# Altium PCB betrusted_evt2b.PcbDoc (part 3 of 6)
Units mm, origin at the board's own origin, x right, y up, seen from the top; angles counter-clockwise.
Board outline 61.95 x 62.6 mm, 6 copper layers (L1, L2, L3, L6, L7, L8), stack 0.691 mm thick; 387 components, 291 nets, 1871 pads, 1866 vias.
Unrouted connection lines stored in the file: 41.
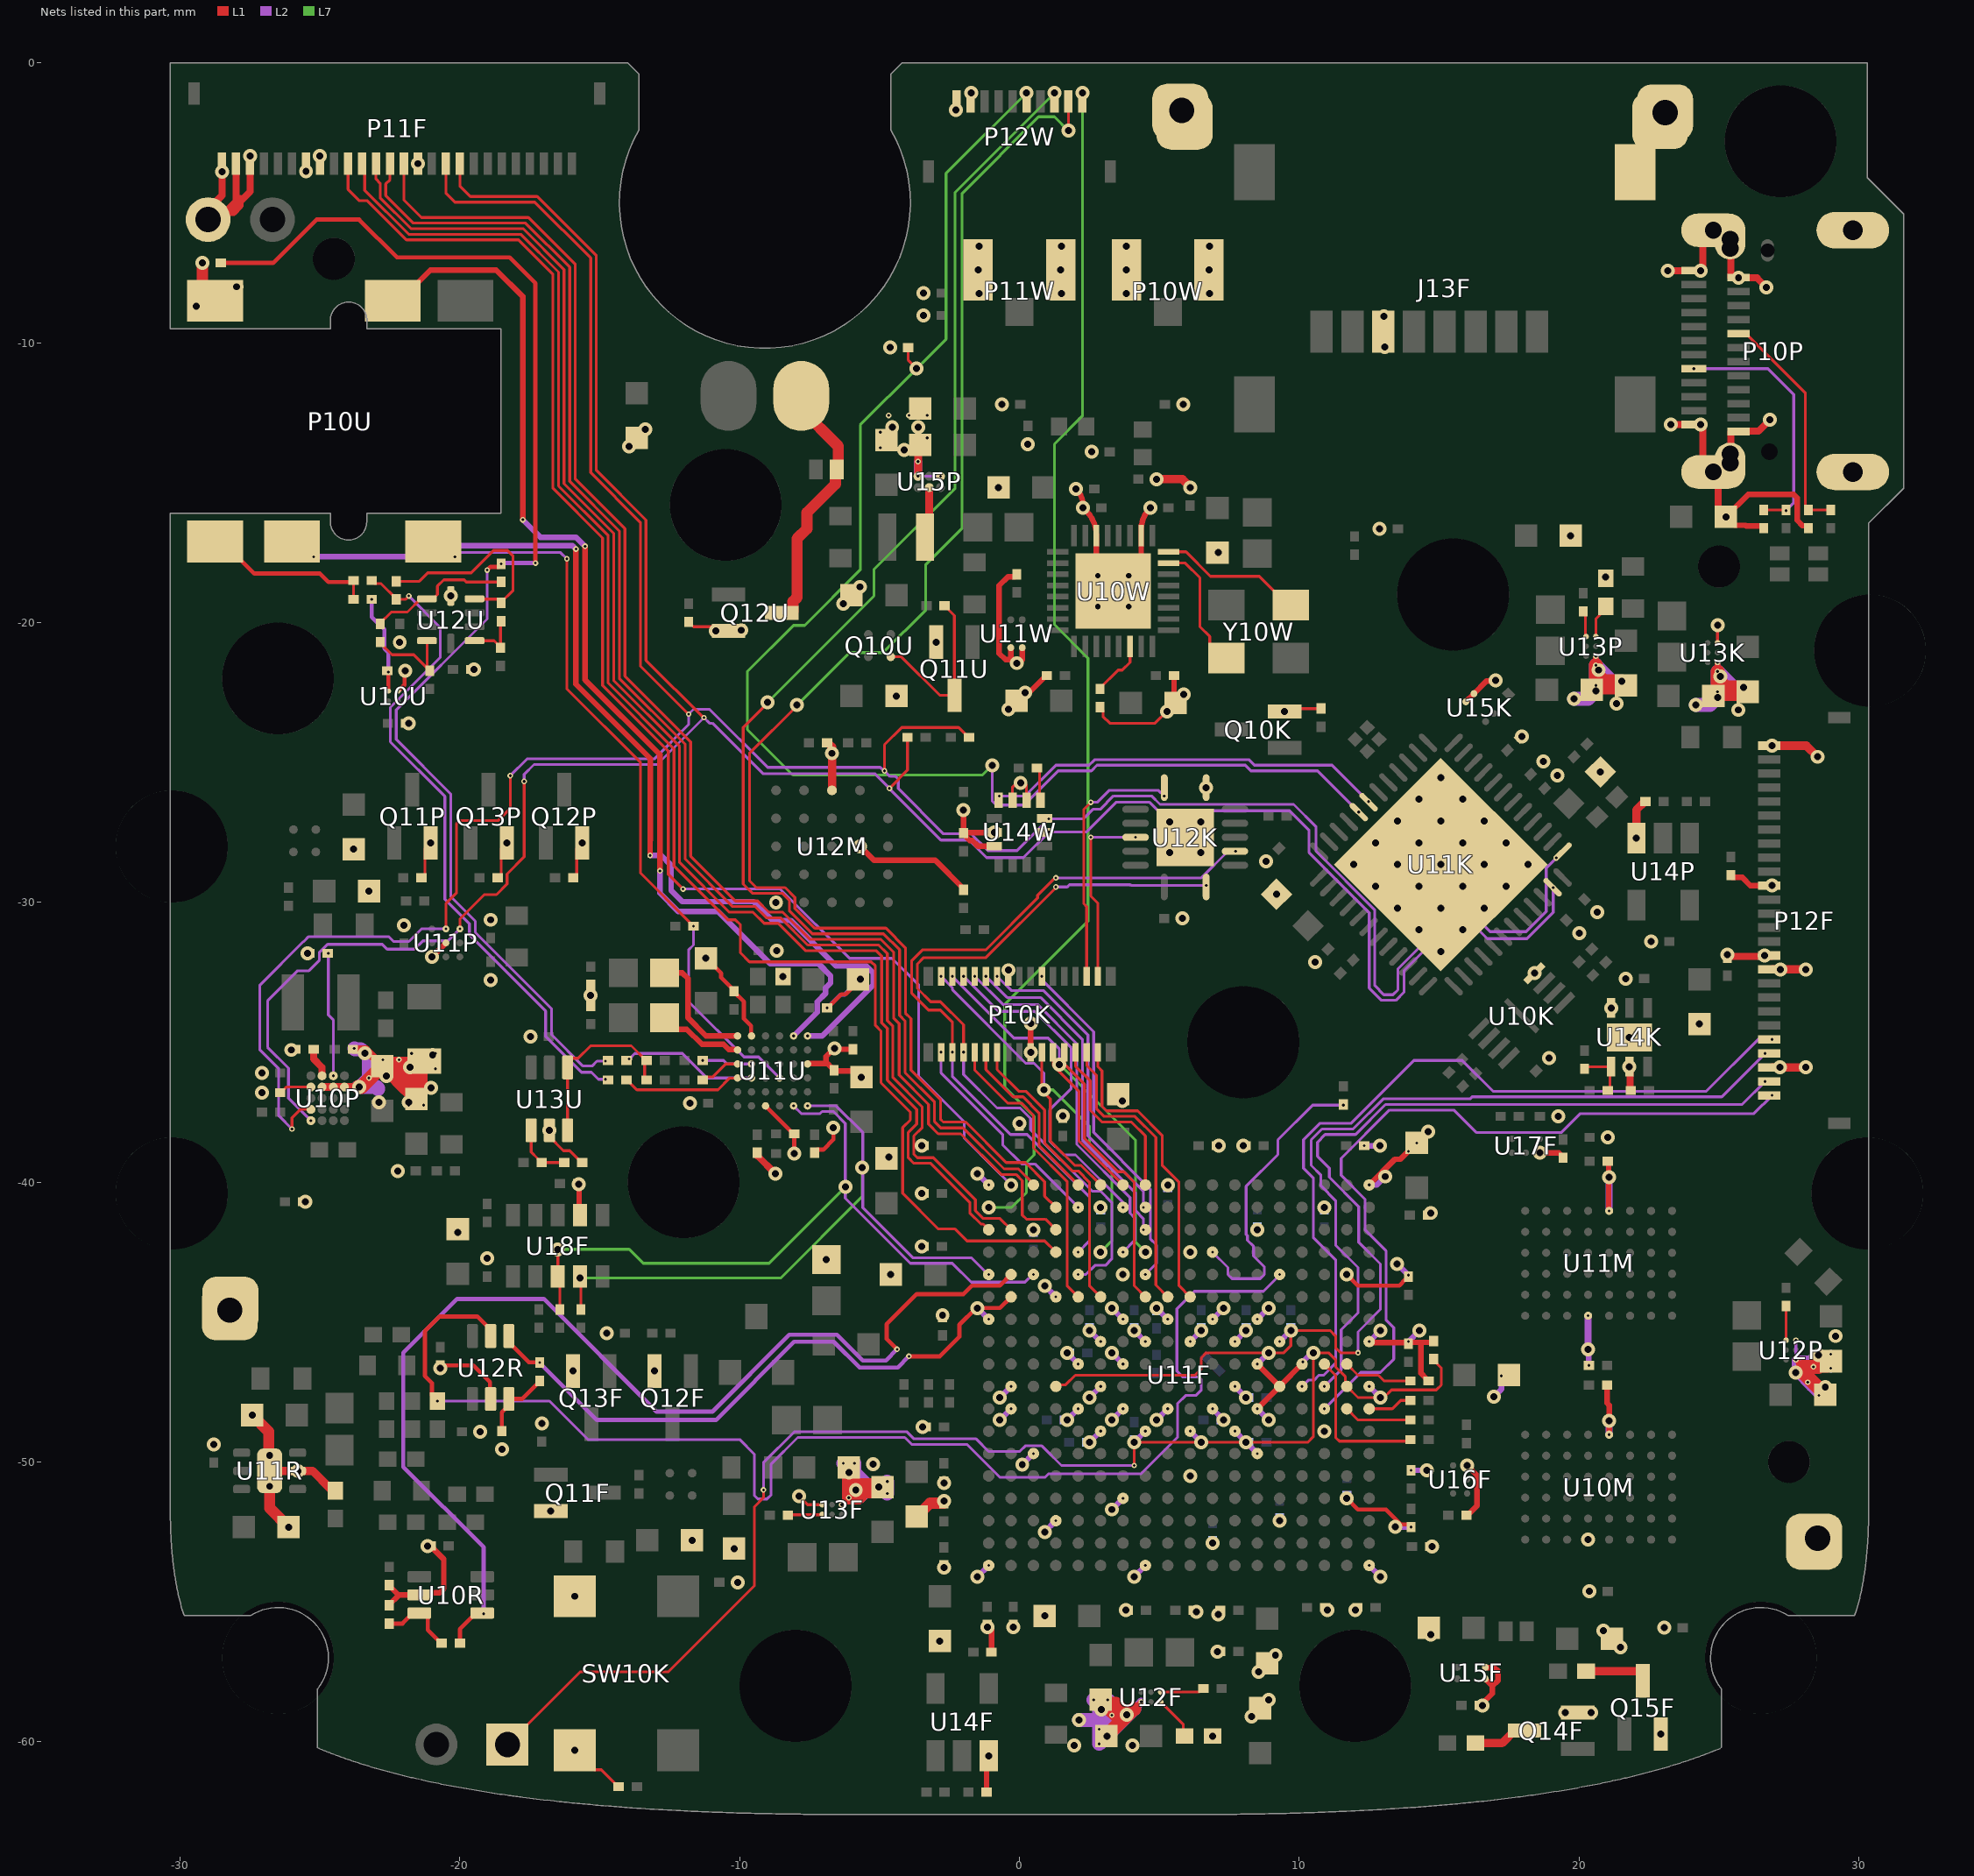
[diagram p7: the nets of this part, all layers, seen from the top]

## Via types
v1: diameter 0.2, hole 0.1, L1 to L2, tented both sides, 1071 vias
v2: diameter 0.5, hole 0.25, L2 to L7, tented both sides, 640 vias
v3: diameter 0.2, hole 0.1, L7 to L8, tented both sides, 120 vias
v4: diameter 0.5, hole 0.25, L1 to L8, 29 vias
v5: diameter 0.5, hole 0.2, L1 to L8, 4 vias
v6: diameter 0.4, hole 0.25, L1 to L8, 2 vias

## Nets (pads, with @x,y where several pads share a name; then routed paths per layer and width w, separated by ;. In a path a pad name is that pad's centre, name@x,y a point inside that pad or via, vN(x,y) a via of type N, cw(c..) or ccw(c..) an arc to the next point about the centre after c; other vN are vias at no path point) (continued)
GND: C10K.2 C10M.2 C10P.2 C10U.2 C10W.2 C11K.2 C11M.2 C11P.2 C11U.2 C11W.2 C12K.2 C12M.2 C12R.1 C12U.2 C12W.2 C13K.2 C13M.2 C13R.2 C13U.1 C13W.2 C14F.2 C14K.2 C14M.2 C14P.2 C14R.2 C14U.2 C14W.2 C15F.2 C15K.2 C15M.1 C15P.2 C15U.1 C15W.2 C16F.2 C16K.2 C16M.2 C16P.2 C16W.2 C17F.2 C17K.2 C17M.2 C17P.2 C17R.1 C17W.2 C18F.2 C18K.2 C18M.2 C18P.2 C18R.1 C18W.2 C19F.2 C19K.2 C19P.2 C19U.1 C19W.2 C20F.2 C20K.2 C20P.2 C20W.2 C21F.2 C21K.2 C21P.1 C21U.2 C21W.2 C22F.1 C22K.2 C22P.2 C22U.2 C22W.2 C23F.2 C23K.2 C23P.2 C23U.2 C23W.2 C24F.2 C24K.2 C24P.2 C24U.1 C24W.2 C25F.2 C25K.2 C25P.2 C25U.1 C26F.2 C26K.2 C26P.2 C26U.1 C27F.1 C27K.2 C27P.2 C27U.2 C28F.2 C28P.2 C28U.1 C28W.2 C29F.2 C29P.2 C29U.2 C29W.1 C30F.1 C30P.2 C30U.1 C30W.1 C31F.2 C31P.2 C31U.2 C31W.2 C32F.2 C32U.2 C32W.2 C33F.2 C33U.1 C34F.2 C34U.2 C35F.2 C35U.2 C36F.2 C36U.2 C37F.1 C37U.1 C38F.2 C38U.2 C39F.2 C40F.1 C41F.2 C42F.2 C43F.2 C44F.2 C45F.2 C46F.2 C47F.1 C48F.2 C49F.2 C50F.2 C51F.2 C52F.1 C53F.2 C54F.2 C55F.1 C56F.2 C57F.2 C58F.2 C59F.2 C60F.2 C61F.2 C62F.2 C63F.2 C64F.2 C65F.2 C66F.2 C67F.2 C68F.2 C71F.2 C72F.2 C73F.2 C74F.2 C75F.2 C76F.2 C77F.2 C78F.2 C79F.2 C80F.2 C81F.2 C82F.2 C83F.2 C84F.2 C85F.2 C86F.2 C87F.2 C88F.2 C89F.2 C90F.2 C91F.2 J13F.0@22,-3.9 J13F.6 L11F.1 P10K.9 P10K.22 P10P.0 P10P.A1 P10P.A12 P10P.B1 P10P.B12 P10U.4 P10W.GND P11F.1 P11F.2 P11F.3 P11F.7 P11F.8 P11F.15 P11W.GND P12F.1 P12F.11 P12F.16 P12F.17 P12F.24 P12W.9 P12W.10 pad.0@5.8,-1.7 pad.0@23.075,-1.775 pad.0@28.525,-52.725 pad.0@-28.225,-44.575 Q10K.2 Q11F.2 Q11P.2 Q11U.2 Q12F.2 Q12P.2 Q12U.2 Q13F.2 Q13P.2 Q14F.2 Q15F.2 R11F.2 R11U.1 R11W.2 R12M.2 R13R.1 R13W.2 R14F.1 R14K.1 R14P.2 R14R.1 R15K.1 R15P.2 R16P.2 R17F.1 R17P.2 R18F.1 R18R.1 R19R.1 R20P.2 R20R.1 R23F.1 R23P.2 R25P.2 R25U.1 R26P.1 R26U.1 R27F.2 R27U.1 R28F.1 R28P.2 R29P.2 SW10K.1 SW10K.2 TP11P.1 TP12P.1 TP13P1.1 TP13P2.1 TP13P3.1 TP13P.1 TP14P.1 TP15P.1 U10K.4 U10M.D1 U10M.E6 U10P.D1 U10P.D2 U10P.D3 U10R.2 U10U.B2 U10W.10 U10W.14 U10W.33 U11F.A1 U11F.A12 U11F.A18 U11F.B8 U11F.B9 U11F.C6 U11F.C16 U11F.D3 U11F.D13 U11F.E8 U11F.E10 U11F.F7 U11F.F9 U11F.F11 U11F.F17 U11F.G4 U11F.G8 U11F.G10 U11F.G12 U11F.G14 U11F.H1 U11F.H7 U11F.H11 U11F.J8 U11F.J12 U11F.J18 U11F.K5 U11F.K7 U11F.K11 U11F.K15 U11F.L2 U11F.L8 U11F.L12 U11F.M7 U11F.M9 U11F.M11 U11F.N6 U11F.N8 U11F.N10 U11F.N12 U11F.N16 U11F.P3 U11F.P9 U11F.P11 U11F.R10 U11F.T7 U11F.T17 U11F.U4 U11F.U14 U11F.V1 U11F.V9 U11F.V11 U11F.V18 U11K.PADDLE U11M.D1 U11M.E6 U11P.B2 U11P.C1 U11R.5 U11R.7 U11U.A3 U11U.D6 U11U.E1 U11W.1 U11W.4 U12F.A1 U12K.7 U12K.EP U12M.B3 U12M.C1 U12M.E5 U12P.A1 U12P.C1 U12R.2 U12U.5 U13F.A1 U13F.C1 U13K.A1 U13K.C1 U13P.A1 U13U.2 U14F.3 U14K.3 U14K.5 U14K.7 U14P.3 U14W.2 U14W.3 U14W.6 U14W.7 U15F.1 U15F.4 U15K.1 U15K.4 U15P.A2 U15P.C2 U16F.C1 U17F.C1 U18F.7 | length 236.1
  L1 w0.1: R25P.2@-21.375,-29.125 -21.36,-29.125 -21.25,-29.015 -21.25,-28.075 v1(-21.05,-27.875) ; R29P.2@-18.65,-29.125 -18.635,-29.125 -18.525,-29.015 -18.525,-28.075 v1(-18.325,-27.875) ; v2(-16.8,-38.15) -16.8,-38.375 -16.3,-38.875 -16.075,-38.875 -15.65,-39.3 R25U.1@-15.625,-39.3 ; R26P.1@-15.95,-29.125 -15.935,-29.125 -15.825,-29.015 -15.825,-28.075 v2(-15.625,-27.875) ; v2(-15.9,-60.3) -15.2,-61 -14.95,-61 -14.35,-61.6 C25K.2@-14.325,-61.6 ; R27U.1@-11.825,-19.975 -11.65,-20.15 -10.646,-20.15 -10.496,-20.3 Q12U.2@-10.4,-20.3 ; v2(-7.875,-51.225) -7.575,-51.525 U13F.C1@-7.05,-51.525 ; U14W.3@-0.25,-26.35 -0.25,-25.875 -0.1,-25.725 v1(0.038,-25.725) 0.175,-25.725 0.25,-25.8 U14W.2@0.25,-26.35 ; R11W.2@2.875,-23.025 2.985,-23.135 2.985,-23.36 3.225,-23.6 4.85,-23.6 v2(5.275,-23.175) C23W.2@5.575,-22.875 ; v2(9.475,-23.175) 9.575,-23.075 R14K.1@10.775,-23.075 ; U13K.C1@24.95,-20.725 v1(24.95,-20.1)
  L1 w0.15: U10U.B2@-22.2,-22.45 -21.975,-22.225 -21.975,-21.75 v1(-21.95,-21.725) ; C17R.1@-20.7,-46.55 -19.525,-46.55 -18.925,-47.15 -18.925,-47.725 U12R.2@-18.9,-47.75 ; C35U.2@-11.2,-32 -10.663,-32.537 -10.663,-32.687 -10.2,-33.15 C34U.2@-10.2,-33.175 -10.2,-33.2 -9.85,-33.55 -9.85,-34.159 -9.592,-34.417 -9.592,-34.758 U11U.E1@-9.575,-34.775 ; U11U.D6@-9.075,-37.275 -8.525,-37.825 -8.075,-38.275 C27U.2@-8.05,-38.275 C28U.1@-8.05,-38.975 ; C24U.1@-7.325,-38.95 -7.325,-38.925 -7.24,-38.84 -7.015,-38.84 -6.65,-38.475 C23U.2@-6.65,-38.05 ; v1(-6.875,-33.775) -6.85,-33.775 -6.362,-33.287 -6.212,-33.287 C32U.2@-5.675,-32.75 ; v1(11.7,-51.3) 12.1,-51.7 13.1,-51.7 13.63,-52.23 13.93,-52.23 14,-52.3 v1(14,-52.325) ; v1(11.7,-43.3) 12.1,-43.7 13.575,-43.7 13.79,-43.485 13.83,-43.485 C57F.2@13.9,-43.415 ; C57F.2@13.9,-43.365 v1(13.9,-43.325)
  L1 w0.2: R14R.1@-22.525,-55.125 -22.525,-55.1 -22.2,-54.775 -22.2,-54.75 ; R13R.1@-22.525,-54.4 -22.525,-54.425 -22.2,-54.75 ; C12R.1@-21.05,-53 -21.025,-53 -20.965,-53.06 -20.965,-53.085 -20.575,-53.475 -20.575,-54.525 -20.725,-54.675 -21.375,-54.675 U10R.2@-21.45,-54.75 -22.2,-54.75 ; v1(-21,-31.95) U11P.B2@-20.5,-31.45 ; C66F.2@-15.775,-40.05 v2(-15.756,-40.069) -15.737,-40.088 -15.737,-41.138 U18F.7@-15.7,-41.175 ; C14U.2@-15.325,-33.7 C15U.1@-15.325,-32.95 ; C29U.2@-9.375,-39.05 C29U.2@-9.375,-38.95 ; U11U.A3@-7.575,-35.775 -7.563,-35.763 -6.915,-35.763 ; v1(-6.35,-51.525) v1(-6.1,-51.275) ; C37U.1@-5.95,-35.25 C36U.2@-6.65,-35.25 -6.915,-35.515 -6.915,-35.763 ; v2(-5.7,-28) -5.2,-28.5 -3.01,-28.5 -2,-29.51 C18M.2@-2,-29.55 ; C21U.2@-5.65,-36.25 -5.875,-36.025 -6.625,-36.025 C22U.2@-6.625,-36 -6.625,-35.975 -6.685,-35.915 -6.71,-35.915 -6.862,-35.763 -6.915,-35.763 ; v1(-2,-26.7) C31W.2@-2,-27.525 ; C33F.2@-1.175,-61.8 -1.175,-60.575 v1(-1.1,-60.5) ; C22F.1@-1.15,-55.825 -1.15,-55.85 -1,-56 C34F.2@-1,-56.8 ; U14W.7@-0.9,-28 -1.475,-28 -1.685,-27.79 -1.775,-27.79 -2,-27.565 C31W.2@-2,-27.525 ; v1(-0.9,-27.5) -0.913,-27.513 -1.987,-27.513 C31W.2@-2,-27.525 ; U11W.4@-0.31,-20.9 -0.31,-21.325 ; C21W.2@-0.1,-22.8 v2(0.2,-22.5) 0.35,-22.5 0.95,-21.9 C22W.2@0.975,-21.9 ; C14W.2@-0.1,-18.275 -0.1,-18.3 -0.16,-18.36 -0.41,-18.36 -0.725,-18.675 -0.725,-21.1 -0.5,-21.325 -0.31,-21.325 ; U11W.1@0.1,-20.9 0.1,-21.331 -0.019,-21.45 v2(-0.102,-21.45) -0.185,-21.45 -0.31,-21.325 ; v1(0.4,-35.355) v1(0.4,-34.325) ; v1(2.025,-15.225) cw(c1.421,-15.829) 2.275,-15.829 v1(2.275,-15.9) 2.382,-16.007 cw(c1.495,-16.895) U10W.14@2.75,-16.895 2.75,-18.275 v5(2.8,-18.325) U10W.33@3.35,-18.875 4.35,-17.875 U10W.10@4.35,-16.895 4.35,-16.685 cw(c5.46,-16.685) v1(4.675,-15.9) ; 4.1,-58.825 v1(4.35,-58.575) ; C24W.2@5.525,-21.9 5.525,-22.825 C23W.2@5.575,-22.875 ; v1(8.5,-48.1) U11F.P9@9.3,-47.3 ; v1(8.5,-46.5) U11F.P9@9.3,-47.3 ; v1(10.125,-46.425) 10.125,-46.475 U11F.P9@9.3,-47.3 ; v1(12.5,-40.1) 13.417,-39.183 13.617,-39.183 v1(14.2,-38.6) ; U11F.V11@12.537,-45.738 13.863,-45.738 C31F.2@13.9,-45.775 13.9,-45.77 13.945,-45.725 14.35,-45.725 ; R18F.1@14.625,-47.1 14.585,-47.1 14.54,-47.055 14.54,-47.015 14.35,-46.825 14.35,-45.725 ; R17F.1@14.8,-45.675 14.8,-45.68 14.755,-45.725 14.35,-45.725 ; U15K.1@15.953,-22.833 U15K.4@16.243,-22.543 16.691,-22.095 16.9,-22.095 16.928,-22.067 16.992,-22.067 C27K.2@17.02,-22.095 ; C15M.1@15.975,-51.9 16.015,-51.9 16.35,-51.565 16.35,-50.475 v1(16,-50.125) ; C35F.2@16.45,-58.7 16.475,-58.7 16.9,-58.275 16.9,-58.014 ; U15F.4@16.65,-57.75 16.65,-57.764 16.9,-58.014 ; U15F.1@16.65,-57.34 16.66,-57.35 16.983,-57.35 17.1,-57.467 17.1,-57.814 16.9,-58.014 ; v1(18.6,-38.95) 19.275,-38.95 19.425,-39.1 R27F.2@19.425,-39.125 ; v1(20.325,-52.775) U10M.D1@20.342,-52.792 ; C12M.2@20.342,-54.592 v2(20.375,-54.625) C12M.2@20.392,-54.642 ; v1(20.6,-21.525) v1(20.6,-21.2) ; C13M.2@21,-47.25 21,-47.9 21.075,-47.975 v1(21.075,-49.025) ; C11M.2@21.025,-39.25 21.058,-39.283 21.058,-41.008 v1(21.075,-41.025) ; v1(24.95,-21.75) v1(24.95,-21.425) ; C37F.1@25.425,-29.025 25.425,-29.05 25.485,-29.11 25.835,-29.11 26.125,-29.4 v2(26.9,-29.4) ; R14P.2@26.6,-16.625 26.6,-16.61 26.54,-16.55 25.975,-16.55 25.95,-16.525 25.55,-16.525 v2(25.25,-16.225) 26.05,-15.425 27.675,-15.425 27.8,-15.55 27.8,-16.35 27.99,-16.54 28.14,-16.54 28.2,-16.6 R15P.2@28.2,-16.625 ; v1(27.75,-46.35) 28,-46.6
  L1 w0.25: P11F.1@-28.5,-3.6 v2(-28.5,-3.885) -28.5,-4.735 -29,-5.235 TP11P.1@-29,-5.6 ; P11F.2@-28,-3.6 -28,-4.778 ; -27.85,-4.85 -27.928,-4.85 -28,-4.778 ; P11F.3@-27.5,-3.6 -27.5,-4.6 -27.85,-4.95 -27.85,-5.1 -28.092,-5.342 TP11P.1@-28.392,-5.342 ; C29U.2@-9.375,-39.05 v1(-8.725,-39.7) ; v1(7.1,-55.45) 7.1,-55.375 7.115,-55.36 7.115,-55.32 7.135,-55.3 C28F.2@7.175,-55.3 ; v2(21.8,-35.875) 21.825,-35.9 21.825,-36.7 C24K.2@21.85,-36.725 ; v2(23.175,-7.425) P10P.A12@24.1,-7.425 v2(24.35,-7.425) 24.415,-7.425 24.425,-7.415 24.425,-6.355 P10P.0@24.8,-5.98 ; v2(23.275,-12.925) P10P.A1@24.1,-12.925 24.415,-12.925 24.425,-12.935 24.425,-14.245 P10P.0@24.8,-14.62 24.975,-14.795 24.975,-15.95 v2(25.25,-16.225) ; C52F.1@25.3,-31.975 25.3,-31.96 25.335,-31.925 26.875,-31.925 P12F.16@26.9,-31.9 ; P10P.0@25.4,-13.97 25.425,-13.945 25.425,-13.185 25.435,-13.175 P10P.B12@25.7,-13.175 25.71,-13.165 26.41,-13.165 v2(26.825,-12.75) ; P10P.0@25.4,-6.48 25.425,-6.505 25.425,-7.665 25.435,-7.675 v2(25.7,-7.675) 25.71,-7.685 26.36,-7.685 v2(26.7,-8.025) ; TP11P.1@-29,-5.6 -28.775,-5.375 TP11P.1@-28.425,-5.375 ; TP11P.1@-29,-5.6 -28.65,-5.6 TP11P.1@-28.425,-5.375 ; TP11P.1@-28.425,-5.375 TP11P.1@-28.392,-5.342 ; TP11P.1@-28.392,-5.342 -28,-4.95 -28,-4.778
  L1 w0.28: U10P.D3@-24.925,-36.6 U10P.D2@-24.525,-36.6 U10P.D1@-24.125,-36.6 v1(-23.625,-36.6) ; v1(-3.625,-14.775) v1(-3.625,-14.25) -3.625,-13.725 C29P.2@-3.55,-13.65
  L1 w0.3: C18R.1@-28.803,-49.373 C18R.1@-28.8,-49.375 -28.798,-49.378 v1(-28.792,-49.377) C18R.1@-28.787,-49.378 ; C13R.2@-27.427,-48.323 C13R.2@-27.425,-48.325 -27.423,-48.328 v1(-27.417,-48.327) C13R.2@-27.412,-48.328 ; v6(-26.8,-50.87) U11R.7@-26.8,-50.32 U11R.5@-25.8,-50.32 ; C14R.2@-26.123,-52.328 v1(-26.117,-52.327) C14R.2@-26.112,-52.328 ; U11R.5@-25.802,-50.318 U11R.5@-25.8,-50.32 ; U11R.5@-25.787,-50.323 v1(-25.792,-50.322) -25.797,-50.323 U11R.5@-25.8,-50.32 ; R11U.1@-25.525,-40.7 v2(-25.52,-40.7) -25.515,-40.7 R11U.1@-25.51,-40.705 ; R20R.1@-24.625,-50.96 -25.265,-50.32 U11R.5@-25.8,-50.32 ; C15P.2@-23.81,-35.265 -23.36,-35.265 C18P.2@-22.775,-35.85 ; C12R.1@-21.163,-52.995 -21.158,-53 v2(-21.153,-53) C12R.1@-21.147,-53 ; C17R.1@-20.713,-46.645 -20.708,-46.65 v2(-20.703,-46.65) C17R.1@-20.697,-46.65 ; C30U.1@-11.79,-37.17 -11.785,-37.175 v2(-11.78,-37.175) C30U.1@-11.775,-37.175 ; C35U.2@-11.215,-31.995 -11.21,-32 v2(-11.205,-32) C35U.2@-11.2,-32 ; C17M.2@-8.69,-31.72 -8.685,-31.725 v1(-8.68,-31.725) C17M.2@-8.675,-31.725 ; C26U.1@-8.465,-32.645 -8.46,-32.65 v2(-8.455,-32.65) C26U.1@-8.45,-32.65 ; C28U.1@-8.065,-38.97 -8.06,-38.975 v2(-8.055,-38.975) C28U.1@-8.05,-38.975 ; L11F.1@-6.915,-42.76 -6.91,-42.765 v2(-6.905,-42.765) L11F.1@-6.9,-42.765 ; C16M.2@-6.875,-24.3 -6.845,-24.3 -6.7,-24.445 v1(-6.7,-24.675) U12M.C1@-6.7,-26 ; C23U.2@-6.665,-38.045 -6.66,-38.05 v2(-6.655,-38.05) C23U.2@-6.65,-38.05 ; C32U.2@-5.69,-32.745 -5.685,-32.75 v2(-5.68,-32.75) C32U.2@-5.675,-32.75 ; C21U.2@-5.665,-36.245 -5.66,-36.25 v2(-5.655,-36.25) C21U.2@-5.65,-36.25 ; C56F.2@-3.465,-48.745 -3.46,-48.75 v2(-3.455,-48.75) C56F.2@-3.45,-48.75 ; v1(4.9,-14.875) 5.825,-14.875 6.1,-15.15 v1(6.1,-15.175) ; C62F.2@14.685,-41.095 14.69,-41.1 v2(14.695,-41.1) C62F.2@14.7,-41.1 ; v2(22.05,-27.7) 22.05,-26.695 22.345,-26.4 C26P.2@22.375,-26.4 ; P12F.24@26.9,-35.9 v1(27.175,-35.9) v1(28.1,-35.9) ; P12F.17@26.9,-32.4 v1(28.1,-32.4) ; v2(26.9,-24.4) 28.125,-24.4 v1(28.525,-24.8)
  L1 w0.4: v1(-29.2,-7.15) -29.2,-8.05 P10U.4@-28.75,-8.5 ; C13R.2@-27.423,-48.328 -26.83,-48.92 -26.83,-50.29 U11R.7@-26.8,-50.32 ; v6(-26.8,-50.87) -26.8,-51.65 C14R.2@-26.125,-52.325 C14R.2@-26.123,-52.328 ; C19F.2@-3.675,-51.95 -3.2,-51.475 C23F.2@-2.7,-51.475
  L1 w0.5: v1(-23.625,-36.6) -23.525,-36.6 C18P.2@-22.775,-35.85 ; -21.7,-36.45 C14P.2@-21.7,-36.875 ; C17F.2@-6.1,-50.2 -6.1,-50.825 ; C16F.2@2.9,-58.5 C16F.2@3.05,-58.65 ; C15F.2@3.1,-59.8 3.65,-59.25 ; 4.1,-58.825 4.075,-58.825 v1@3.862,-59.037 ; C24P.2@20.45,-22.4 C24P.2@20.525,-22.325 ; v1(20.6,-21.525) 20.6,-21.8 ; C22K.2@24.8,-22.625 C22K.2@24.875,-22.55 ; v1(24.95,-21.75) 24.95,-22.025 ; C20P.2@28.8,-47.6 28,-46.8 28,-46.6 v1(28.374,-46.6) 28.55,-46.6 28.6,-46.55 28.85,-46.55 C19P.2@29,-46.4 ; C18P.2@-22.775,-35.85 -22.687,-35.762 C11P.2@-21.512,-35.762 ; C18P.2@-22.775,-35.85 C18P.2@-22.457,-36.168 ; C18P.2@-22.457,-36.168 -22.164,-35.875 C11P.2@-21.625,-35.875 ; C18P.2@-22.457,-36.168 -22.407,-36.168 -22.1,-36.475 ; -22.1,-36.475 C14P.2@-21.7,-36.875 ; -22.1,-36.475 -22.1,-36.35 C11P.2@-21.625,-35.875 ; C14P.2@-21.7,-36.875 C14P.2@-21.55,-37.025 -21.412,-36.887 C11P.2@-21.412,-35.813 ; C11P.2@-21.625,-35.875 -21.475,-35.875 C11P.2@-21.412,-35.813 ; C11P.2@-21.625,-35.875 C11P.2@-21.512,-35.762 ; C11P.2@-21.512,-35.762 C11P.2@-21.362,-35.762 ; C11P.2@-21.512,-35.762 -21.425,-35.675 C11P.2@-21.275,-35.675 C11P.2@-21.362,-35.762 ; C11P.2@-21.412,-35.813 C11P.2@-21.362,-35.762 ; -6.1,-50.825 -4.975,-50.825 C18F.2@-4.9,-50.9 -5.05,-51.05 -5.536,-51.05 -5.761,-51.275 v1(-6.1,-51.275) -6.1,-50.825 ; C16F.2@3.05,-58.65 3.45,-58.65 v1(3.838,-59.037) v1@3.862,-59.037 ; C16F.2@3.05,-58.65 3.65,-59.25 ; 3.65,-59.25 v1@3.862,-59.037 ; C24P.2@20.525,-22.325 21.6,-22.325 C23P.2@21.675,-22.25 v1(21.525,-22.1) 20.9,-22.1 20.6,-21.8 ; C24P.2@20.525,-22.325 v1(20.6,-22.25) 20.6,-21.8 ; C22K.2@24.875,-22.55 25.95,-22.55 C21K.2@26.025,-22.475 v2(25.875,-22.325) 25.25,-22.325 24.95,-22.025 ; C22K.2@24.875,-22.55 v1(24.95,-22.475) 24.95,-22.025
  L2 w0.1: v1(-3.625,-14.775) v1(-2.825,-14.775) ; v1(27.75,-46.35) v1(27.75,-45.65)
  L2 w0.15: v1(-6.875,-33.775) -6.4,-33.3 -6.25,-33.3 -5.7,-32.75 v2(-5.68,-32.75) ; v2@-6.635,-35.225 v1(-6.615,-35.225)
  L2 w0.2: v1(-6.35,-51.525) v1(-6.1,-51.275) ; v2(-1.5,-54.1) v1(-1.1,-53.7) ; v2(-1.5,-44.5) v1(-1.1,-44.9) ; v2(-1.5,-39.7) v1(-1.1,-40.1) ; v2(-0.7,-48.5) v1(-0.3,-48.1) ; v2(-0.7,-47.7) v1(-0.3,-47.3) ; v2(0.1,-50.1) v1(0.5,-49.7) ; v2(0.9,-52.5) v1(1.3,-52.1) ; v2(0.9,-43.7) v1(1.3,-44.1) ; v2(1.7,-48.5) v1(2.1,-48.1) ; v2(1.7,-46.1) v1(2.1,-46.5) ; v2(2.5,-49.3) v1(2.9,-48.9) ; v2(2.5,-47.7) v1(2.9,-47.3) ; v2(2.5,-45.3) v1(2.9,-45.7) ; v2(3.3,-51.7) v1(3.7,-51.3) ; v2(3.3,-48.5) v1(3.7,-48.1) ; v2(3.3,-46.1) v1(3.7,-46.5) ; v2(3.3,-44.5) v1(3.7,-44.9) ; v2(4.1,-54.1) v1(4.5,-53.7) ; v2(4.1,-49.3) v1(4.5,-48.9) ; v2(4.1,-45.3) v1(4.5,-45.7) ; v2(4.9,-48.5) v1(5.3,-48.1) ; v2(4.9,-44.5) v1(5.3,-44.9) ; v1(6.1,-48.9) v2(6.5,-49.3) ; v1(6.1,-45.7) v2(6.5,-45.3) ; v1(6.9,-48.1) v2(7.3,-48.5) ; v1(6.9,-44.9) v2(7.3,-44.5) ; v1(7.7,-48.9) v2(8.1,-49.3) v1(8.5,-49.7) ; v1(7.7,-47.3) v2(8.1,-47.7) ; v1(7.7,-45.7) v2(8.1,-45.3) ; v1(8.5,-48.1) v2(8.9,-48.5) ; v1(8.5,-46.5) v2(8.9,-46.1) ; v1(8.5,-44.9) v2(8.9,-44.5) ; v1(9.3,-45.7) v2(9.7,-45.3) ; v1(10.125,-46.425) 10.45,-46.1 v2(10.5,-46.1) ; v1(12.325,-38.7) v2(12.891,-38.7) ; v1(12.5,-53.7) v2(12.9,-54.1) ; v1(12.5,-47.3) v2(12.9,-47.7) ; v1(12.5,-45.7) v2(12.9,-45.3) ; v1(12.5,-40.1) 12.775,-40.1 v2(13.075,-39.8) ; v2(13.434,-52.325) v1(14,-52.325) ; v2(13.5,-42.925) v1(13.9,-43.325) ; v1(13.9,-45.7) v2(14.3,-45.3) ; v1(13.9,-38.9) v1(14.2,-38.6) v2(14.6,-38.2) ; v1(14,-50.3) v2(14.566,-50.3) ; v2(16.95,-47.675) 17.225,-47.4 v1(17.225,-46.925) ; v2(20.325,-45.975) 20.35,-46 v1(20.35,-46.55) ; v1(20.6,-21.525) v1(20.6,-21.2) ; v1(24.95,-21.75) v1(24.95,-21.425)
  L2 w0.25: v2(20.325,-45.975) v1(20.325,-44.775) ; v1(21.075,-49.025) v2(21.075,-48.525) ; v1(21.075,-41.025) v2(21.075,-39.825)
  L2 w0.3: v1(-3.625,-14.775) v1(-3.625,-14.25) ; 4.1,-58.825 v1(4.35,-58.575) ; v1(29,-46.65) 29,-46.5 ; v2(27.75,-46.8) 28.275,-47.325 ; v2(27.75,-46.8) 27.8,-46.8 28,-46.6 v1(28.374,-46.6) 28.55,-46.424 v2(28.55,-46.175) ; v2(27.75,-46.8) v1(27.75,-46.35) 28.25,-46.35 28.425,-46.175 v2(28.55,-46.175) ; 28.275,-47.325 v1(28.575,-47.625) 28.8,-47.4 v1(28.8,-47.325) 28.275,-47.325 ; v2(28.55,-46.175) v2@28.675,-46.175 ; v2@28.675,-46.175 29,-46.5 ; v2@28.675,-46.175 28.975,-46.175 v1(29,-46.15) 29,-46.5
  L2 w0.5: v1(-23.775,-35.225) -23.75,-35.25 -23.543,-35.25 -23.25,-35.543 v1(-23.25,-36.275) v2@-23.575,-36.6 ; v1(-23.625,-36.6) v2(-23.6,-36.6) v2@-23.575,-36.6 ; -22.925,-36.675 -22.925,-36.65 -22.975,-36.6 v2@-23.575,-36.6 ; v2@-4.9,-50.9 v2@-4.925,-50.9 ; v2(2.125,-59.225) 2.85,-59.225 ; v1(3.838,-59.037) v2@3.687,-59.037 ; 4.1,-58.825 v2(3.125,-59.8) v1(2.85,-60.075) v1(2.85,-59.55) ; v2(19.825,-22.725) 20.325,-22.725 v2(20.6,-22.45) v1(20.6,-22.25) v1(20.6,-21.525) 21.175,-22.1 v1(21.525,-22.1) ; v2(24.175,-22.95) 24.675,-22.95 v2(24.95,-22.675) v1(24.95,-22.475) v1(24.95,-21.75) 25.525,-22.325 v2(25.875,-22.325) ; -6.1,-50.925 v1(-6.1,-51.275) -5.761,-51.275 -5.386,-50.9 ; -6.1,-50.925 v2(-6.1,-50.375) v2@-6.1,-50.25 ; -6.1,-50.925 -6.075,-50.9 -5.386,-50.9 ; v2@-6.1,-50.25 v1(-6.3,-50.05) v1(-5.9,-50.05) ; v2@-6.1,-50.25 v2@-6.068,-50.218 ; v2@-6.1,-50.25 -6.1,-50.2 -6.086,-50.2 v2@-6.068,-50.218 ; v2@-6.068,-50.218 v2@-5.9,-50.386 ; v2@-6.068,-50.218 v1(-5.9,-50.05) ; v2@-5.9,-50.386 v1(-5.9,-50.05) ; v2@-5.9,-50.386 -5.386,-50.9 ; -5.386,-50.9 v2(-5.025,-50.9) v2@-4.95,-50.9 ; v2@-4.95,-50.9 v1(-4.725,-51.125) v1(-4.725,-50.7) v2@-4.925,-50.9 ; v2@-4.95,-50.9 v2@-4.925,-50.9 ; v1(2.85,-59.55) 2.85,-59.225 ; v1(2.85,-59.55) 2.875,-59.55 v1@3.388,-59.037 ; 2.85,-59.225 2.85,-58.7 v1(2.65,-58.5) v1(3.15,-58.5) ; v1(3.15,-58.5) v2@3.687,-59.037 ; v1(3.15,-58.5) 3.15,-58.8 v1@3.388,-59.037 ; v1@3.388,-59.037 v2@3.687,-59.037
  other v1: -15.9,-60.3 6.9,-59.8 22.925,-59.725 8.3,-59.1 3.3,-59.05 19.5,-58.95 20.425,-58.95 16.55,-58.7 8.9,-58.5 8.55,-57.5 9.15,-56.9 7.075,-56.775 21.475,-56.625 -2.85,-56.4 14.7,-56.175 20.875,-56.025 23.05,-55.925 -1.15,-55.9 -0.225,-55.9 0.9,-55.5 6.325,-55.35 3.8,-55.3 10.975,-55.25 11.975,-55.25 -15.9,-54.8 20.375,-54.625 -10.075,-54.3 -2.7,-53.775 -10.2,-53.1 14.75,-53.025 -21.153,-53 6.9,-52.9 -11.7,-52.8 9.3,-52.1 -16.75,-51.75 -2.7,-51.4 -7.875,-51.225 -2.7,-50.75 6.1,-50.5 -18.5,-49.55 -19.275,-48.925 10.9,-48.9 -3.455,-48.75 -17.075,-48.625 28.175,-47.15 -15.95,-46.75 -13.05,-46.75 -20.703,-46.65 -14.75,-45.4 -2.75,-44.75 -4.6,-43.3 3.7,-43.3 -6.905,-42.765 -19.025,-42.725 6.1,-42.5 -3.5,-42.3 -20.075,-41.8 0.5,-41.7 8.5,-41.7 14.695,-41.1 2.9,-40.9 10.9,-40.9 -25.52,-40.7 -3.5,-40.4 5.3,-40.1 -15.756,-40.069 -22.225,-39.6 -4.675,-39.1 -8.055,-38.975 -3.5,-38.7 7.125,-38.7 8,-38.7 21.025,-38.4 -16.8,-38.15 -6.655,-38.05 0,-37.9 19.25,-37.65 1.55,-37.625 -21.825,-37.25 -21.3,-37.25 -11.78,-37.175 3.675,-37.1 -27.075,-36.8 -5.655,-36.25 -27.075,-36.1 -20.875,-35.95 21.8,-35.875 -22.75,-35.625 -22.175,-35.625 18.93,-35.57 -21.725,-35.4 -20.875,-35.4 -25.95,-35.275 21.8,-34.825 -17.475,-34.8 24.3,-34.35 21.15,-33.775 -15.325,-33.325 -18.9,-32.775 -5.68,-32.75 21.675,-32.725 -8.455,-32.65 18.406,-32.533 -0.4,-32.425 27.2,-32.4 10.57,-32.13 -11.205,-32 26.625,-31.9 25.3,-31.875 -25.45,-31.825 22.575,-31.4 20.005,-31.105 -22,-30.825 -18.9,-30.625 5.825,-30.575 20.655,-30.355 -8.7,-30 9.184,-29.709 -23.25,-29.6 26.9,-29.4 8.82,-28.53 -23.8,-28.1 -5.7,-28 -15.625,-27.875 22.05,-27.7 6.675,-25.9 19.23,-25.47 20.766,-25.334 18.73,-24.97 26.9,-24.4 17.95,-24.075 -21.825,-23.6 5.275,-23.175 9.475,-23.175 -0.4,-23.1 -4.4,-22.625 5.875,-22.575 0.2,-22.5 25.875,-22.325 17.025,-22.075 -19.5,-21.675 -0.102,-21.45 -22.15,-20.7 -2.975,-20.7 -10.85,-20.3 -9.95,-20.275 -6.3,-19.325 -20.325,-19.05 -5.7,-18.725 20.95,-18.375 7.1,-17.5 19.7,-16.9 12.875,-16.65 25.25,-16.225 -0.75,-15.175 2.575,-13.9 -4.975,-13.75 -13.95,-13.7 0.3,-13.625 -3.3,-13.4 -4.975,-13.2 -13.375,-13.1 23.275,-12.925 24.35,-12.925 26.825,-12.75 -4.675,-12.6 -3.95,-12.6 -3.3,-12.6 -0.625,-12.2 5.85,-12.2 -4.625,-10.175 13.05,-10.15 13.025,-9.05 -3.425,-9.025 -29.425,-8.7 -1.45,-8.25 1.5,-8.25 3.825,-8.25 6.8,-8.25 -3.425,-8.225 26.7,-8.025 -27.975,-8 25.7,-7.675 23.175,-7.425 24.35,-7.425 -1.475,-7.4 1.475,-7.4 3.825,-7.4 6.775,-7.4 -1.45,-6.55 1.5,-6.55 3.825,-6.55 6.8,-6.55 -28.5,-3.885 -25.5,-3.875 -21.5,-3.6 -27.5,-3.325 -25,-3.325 -2.275,-1.675 -1.725,-1.075
  other v2: -1.1,-60.5 1.963,-60.125 4.038,-60.125 6.9,-59.8 22.925,-59.725 8.3,-59.1 3.838,-59.037 19.5,-58.95 20.425,-58.95 2.925,-58.85 16.55,-58.7 8.9,-58.5 8.55,-57.5 9.15,-56.9 7.075,-56.775 21.475,-56.625 -2.85,-56.4 14.7,-56.175 20.875,-56.025 23.05,-55.925 -1.15,-55.9 -0.225,-55.9 0.9,-55.5 7.1,-55.45 6.325,-55.35 3.8,-55.3 11,-55.3 12,-55.3 -15.9,-54.8 -10.075,-54.3 -2.7,-53.775 -10.2,-53.1 14.75,-53.025 6.9,-52.9 -11.7,-52.8 20.325,-52.775 -26.117,-52.327 9.3,-52.1 -16.75,-51.75 -2.7,-51.4 11.7,-51.3 -5.85,-51 -2.7,-50.75 6.1,-50.5 -25.792,-50.322 16,-50.125 -5.238,-50.075 -18.5,-49.55 -28.792,-49.377 -19.275,-48.925 10.9,-48.9 -17.075,-48.625 -27.417,-48.327 28.8,-47.325 -15.95,-46.75 -13.05,-46.75 29.162,-45.5 -14.75,-45.4 -2.75,-44.75 -4.6,-43.3 3.7,-43.3 11.7,-43.3 -19.025,-42.725 6.1,-42.5 -3.5,-42.3 -20.075,-41.8 0.5,-41.7 8.5,-41.7 2.9,-40.9 10.9,-40.9 -3.5,-40.4 5.3,-40.1 -8.725,-39.7 -22.225,-39.6 -4.675,-39.1 18.6,-38.95 -3.5,-38.7 7.125,-38.7 8,-38.7 21.025,-38.4 0,-37.9 19.25,-37.65 1.55,-37.625 -22.9,-37.15 -21.825,-37.15 3.675,-37.1 -27.075,-36.8 -21.025,-36.625 -22.625,-36.2 -27.075,-36.1 -21.775,-35.9 27.175,-35.9 28.1,-35.9 18.93,-35.57 -20.975,-35.45 -23.396,-35.396 0.4,-35.355 -26.025,-35.275 -6.615,-35.225 21.8,-34.825 -17.475,-34.8 24.3,-34.35 0.4,-34.325 21.15,-33.775 -15.325,-33.325 -18.9,-32.775 21.675,-32.725 18.406,-32.533 -0.4,-32.425 27.2,-32.4 28.1,-32.4 10.57,-32.13 -21,-31.95 26.625,-31.9 25.3,-31.875 -25.45,-31.825 -8.68,-31.725 22.575,-31.4 20.005,-31.105 -22,-30.825 -18.9,-30.625 5.825,-30.575 20.655,-30.355 -8.7,-30 9.184,-29.709 -23.25,-29.6 8.82,-28.53 -23.8,-28.1 -21.05,-27.875 -18.325,-27.875 -0.9,-27.5 -2,-26.7 6.675,-25.9 0.038,-25.725 19.23,-25.47 20.766,-25.334 18.73,-24.97 28.525,-24.8 -6.7,-24.675 17.95,-24.075 -21.825,-23.6 25.688,-23.125 -0.4,-23.1 21.337,-22.9 -4.4,-22.625 5.875,-22.575 21.525,-22.1 17.025,-22.075 25.05,-21.925 -21.95,-21.725 20.7,-21.7 -19.5,-21.675 -22.15,-20.7 -2.975,-20.7 -10.85,-20.3 -9.95,-20.275 24.95,-20.1 -6.3,-19.325 -20.325,-19.05 -5.7,-18.725 20.95,-18.375 7.1,-17.5 19.7,-16.9 12.875,-16.65 2.275,-15.9 4.675,-15.9 2.025,-15.225 -0.75,-15.175 6.1,-15.175 4.9,-14.875 2.575,-13.9 -4.125,-13.825 -13.95,-13.7 0.3,-13.625 -13.375,-13.1 -4.55,-13.025 -3.625,-13.025 24.35,-12.925 -0.625,-12.2 5.85,-12.2 -4.625,-10.175 13.05,-10.15 13.025,-9.05 -3.425,-9.025 -29.425,-8.7 -1.45,-8.25 1.5,-8.25 3.825,-8.25 6.8,-8.25 -3.425,-8.225 -27.975,-8 -1.475,-7.4 1.475,-7.4 3.825,-7.4 6.775,-7.4 -29.2,-7.15 -1.45,-6.55 1.5,-6.55 3.825,-6.55 6.8,-6.55 -25.5,-3.875 -21.5,-3.6 -27.5,-3.325 -25,-3.325 -2.275,-1.675 -1.725,-1.075